# Altium PCB 蓝桥杯2.0.PcbDoc (part 1 of 2) (continued)
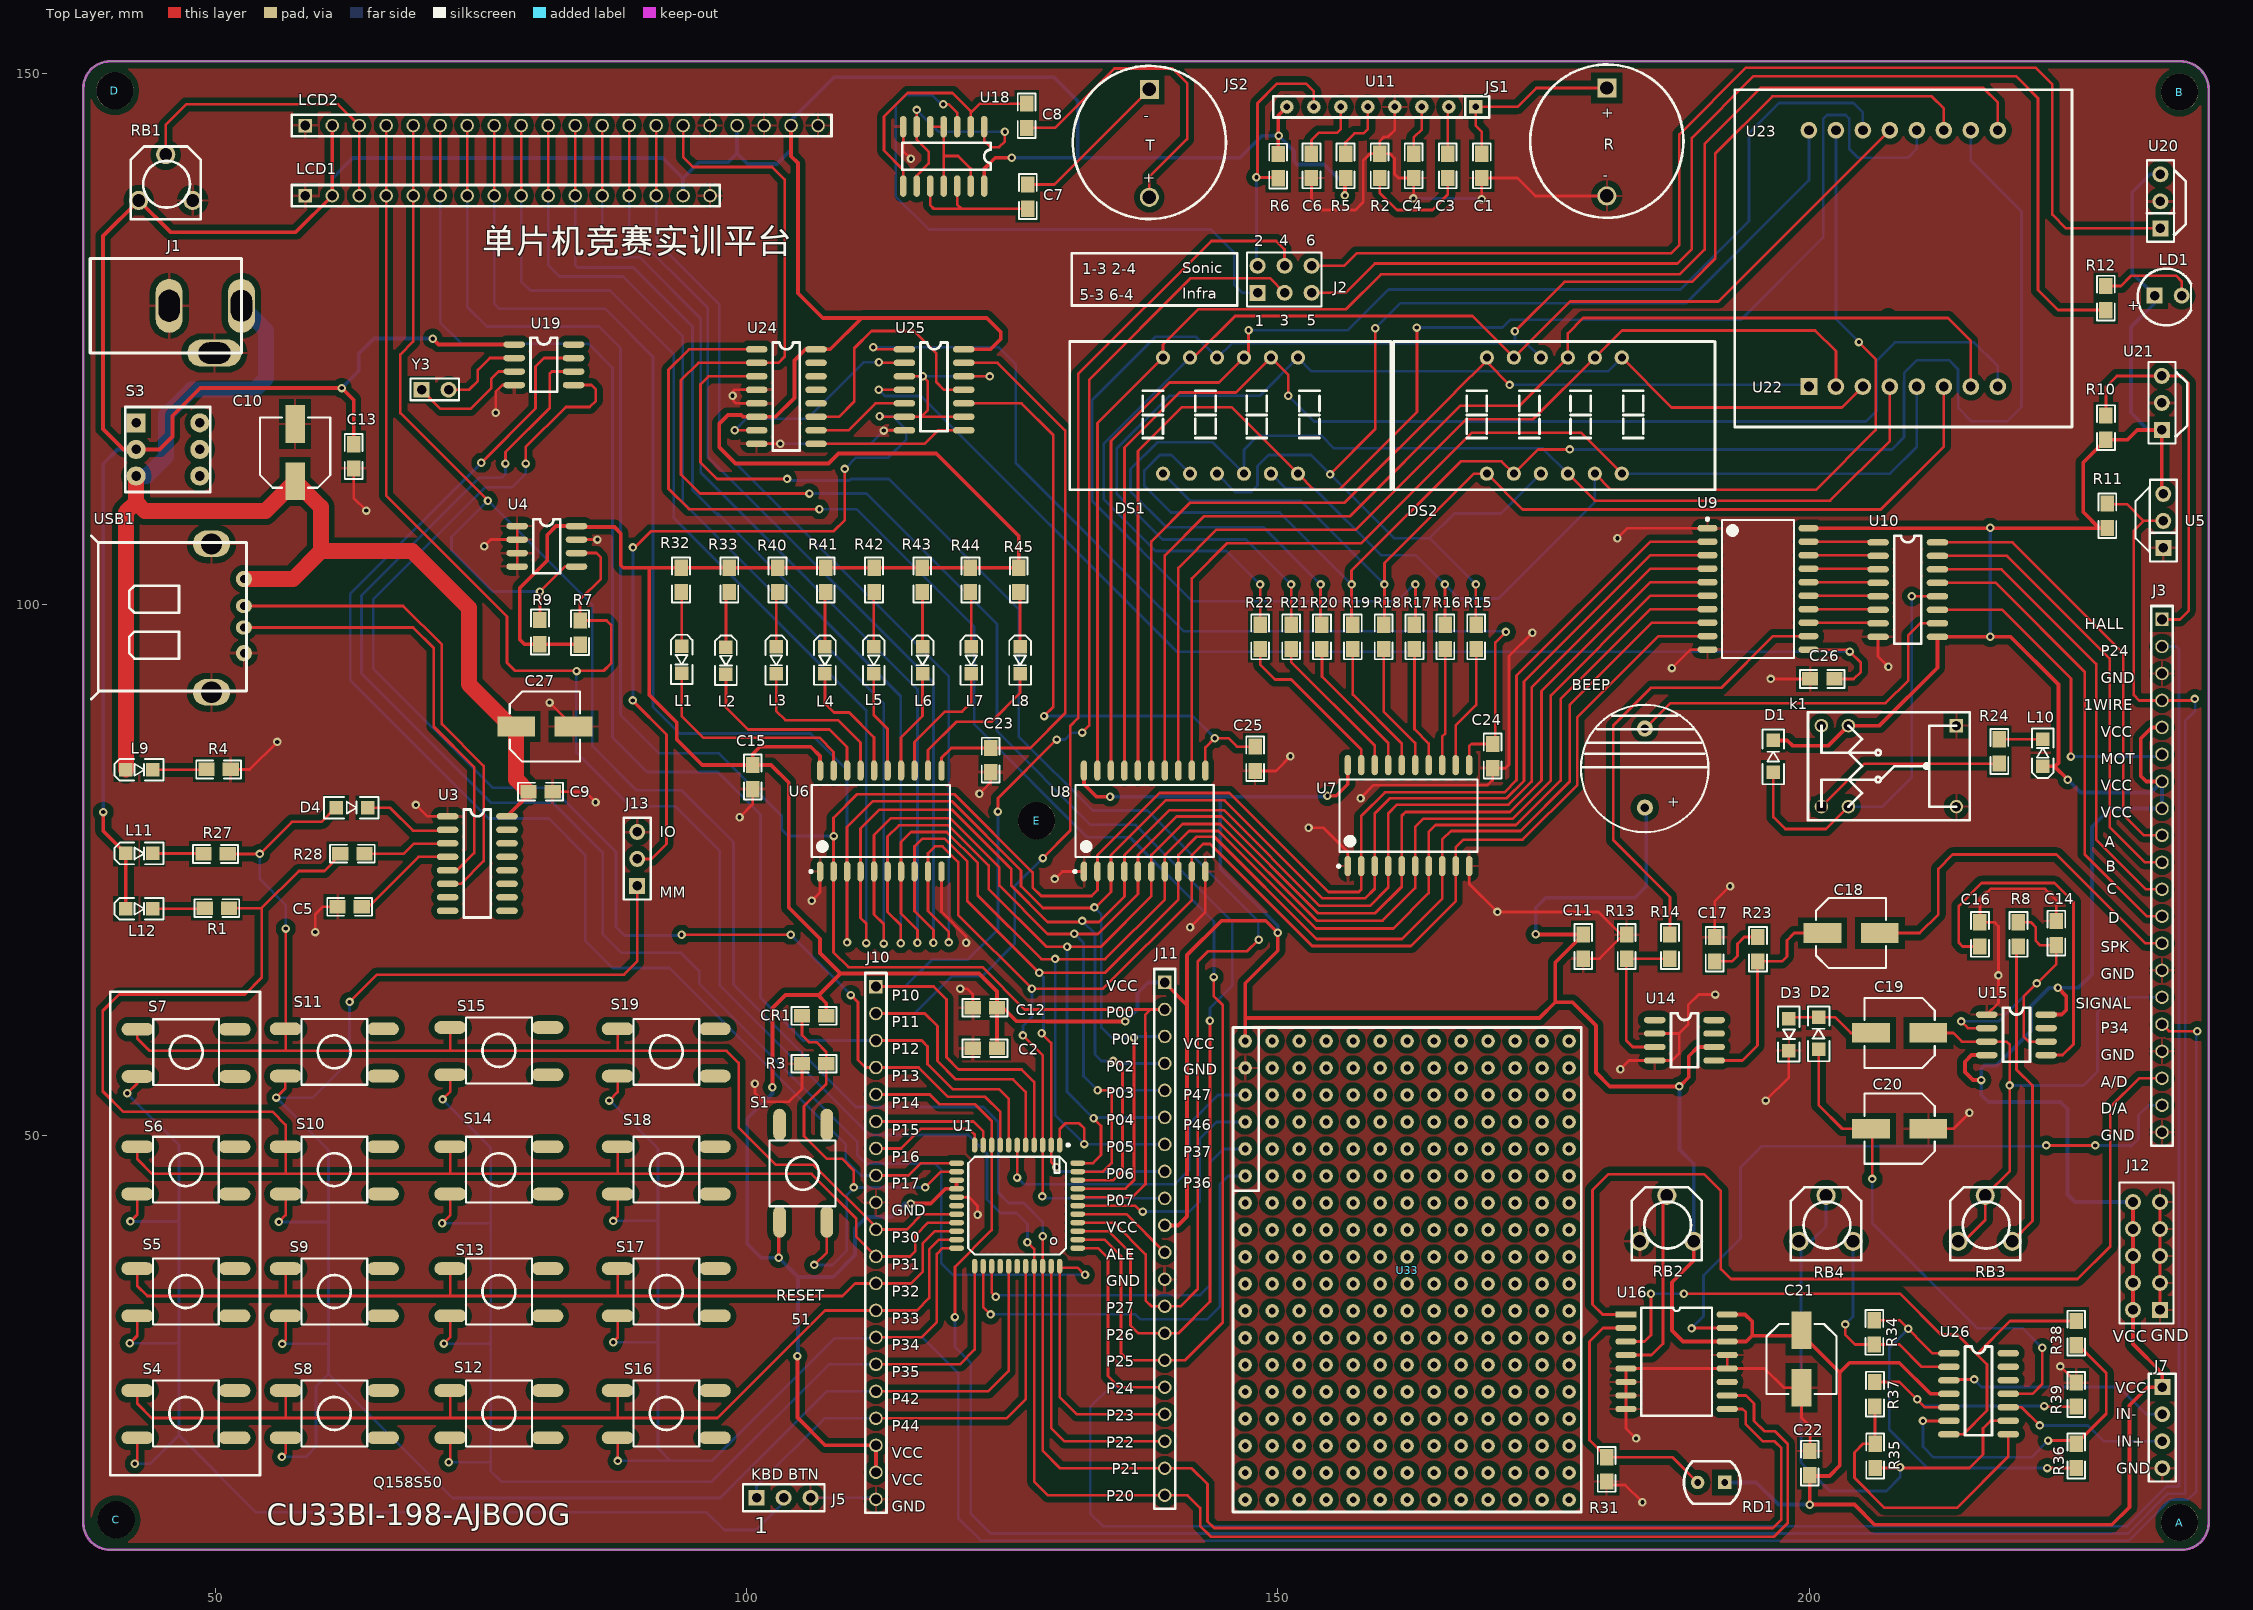
[diagram p0: Top Layer view]
## Footprints (in the part's own frame and the unit in brackets; to place one, negate y for a bottom-side part, rotate by r counter-clockwise, add the part's x,y. Pads: shape width x height; smd on the part's side, far side on the other; paste and mask are expansions set on the pad) (continued)
  silkscreen extent -4.8,-5.95 4.73,4.47, body extent -4.87,-5.13 5.13,4.87, height 2
LUOSIKONG [mm]
  round 3.5 hole 3.5: 1(0.025,-0.686)
"PW 2.5" [mm]
  oval 2.54x5.08 hole 2 slot 3 at 90 deg: GND(-3.708,-4.85)
  oval 5.08x2.54 hole 2 slot 3 at 0 deg: GND(0.737,-0.59) VCCA(0.737,-7.39)
  silkscreen extent -3.71,-7.39 5.18,6.83, body extent -4.19,-8.57 5.33,6.03, height 10.92
R0805 [mil]
  rect 60x50 smd: 1(-57.26,-4.16) 2(32.74,-4.16)
  silkscreen extent -95,-37 71,29, body extent -49,-30 29,20, height 22
RT-16 [mm]
  rect 1.8x1.8 hole 1.27: 1(-0.381,4.597)
  round 1.8 hole 1.27: 2(-0.381,-5.563)
  silkscreen extent -7.59,-7.61 6.83,6.81, body extent -7.43,-7.24 6.57,6.76, height 10
"RVT 16V" [mm]
  rect 3.55x1.85 smd: 1(-2.7,0) 2(2.7,0)
  silkscreen extent -3.3,-3.3 3.3,3.3, body extent -3.37,-3.3 3.63,3.3, height 5.2
SIP-3 [mm]
  rect 1.5x1.5 hole 0.9: 1(-2.295,0.321)
  round 1.5 hole 0.9: 2(0.245,0.321) 3(2.785,0.321)
  silkscreen extent -3.57,-0.95 4.11,1.59, body extent -3.57,-0.95 4.05,1.59, height 8.54
SIP-3X2 [mm]
  rect 1.5x1.5 hole 0.9: 1(-4.721,-2.06)
  round 1.5 hole 0.9: 2(-4.721,0.48) 3(-2.181,-2.06) 4(-2.181,0.48) 5(0.359,-2.06) 6(0.359,0.48)
  silkscreen extent -5.72,-3.33 1.28,1.75, body extent -5.99,-3.33 1.63,1.75, height 8.54
SIP-4 [mm]
  rect 1.5x1.5 hole 0.9: 1(-2.371,0.448)
  round 1.5 hole 0.9: 2(0.169,0.448) 3(2.709,0.448) 4(5.249,0.448)
  silkscreen extent -3.64,-0.82 6.52,1.72, body extent -3.64,-0.82 6.52,1.72, height 8.54
SIP-5X2 [mm]
  round 1.5 hole 0.9: 1(1.54,4.229) 2(1.54,1.689) 3(1.54,-0.851) 4(1.54,-3.391) 5(1.54,-5.931) 6(-1,-5.931) 7(-1,-3.391) 8(-1,-0.851) 9(-1,1.689)
  rect 1.5x1.5 hole 0.9: 10(-1,4.229)
  silkscreen extent -2.27,-7.77 2.81,5.5, body extent -2.27,-7.2 2.81,5.5, height 8.54
SIP-16 [mil]
  rect 50x50 hole 36: 1(-98,967.59)
  round 50 hole 36: 2(-98,867.59) 3(-98,767.59) 4(-98,667.59) 5(-98,567.59) 6(-98,467.59) 7(-98,367.59) 8(-98,267.59) 9(-98,167.59) 10(-98,67.59) 11(-98,-32.41) 12(-98,-132.41) 13(-98,-232.41) 14(-98,-332.41) 15(-98,-432.41) 16(-98,-532.41)
  silkscreen extent -137,-568 -59,1018, body extent -148,-582 -48,1018, height 336
SIP-20 [mil]
  rect 50x50 hole 36: 1(-118,871)
  round 50 hole 36: 2(-118,771) 3(-118,671) 4(-118,571) 5(-118,471) 6(-118,371) 7(-118,271) 8(-118,171) 9(-118,71) 10(-118,-29) 11(-118,-129) 12(-118,-229) 13(-118,-329) 14(-118,-429) 15(-118,-529) 16(-118,-629) 17(-118,-729) 18(-118,-829) 19(-118,-929) 20(-118,-1029)
  silkscreen extent -157,-1079 -79,921, body extent -168,-1079 -68,921, height 336
"SIP-20 - duplicate" [mil]
  rect 50x50 hole 36: 1(16.89,981.84)
  round 50 hole 36: 2(16.89,881.84) 3(16.89,781.84) 4(16.89,681.84) 5(16.89,581.84) 6(16.89,481.84) 7(16.89,381.84) 8(16.89,281.84) 9(16.89,181.84) 10(16.89,81.84) 11(16.89,-18.16) 12(16.89,-118.16) 13(16.89,-218.16) 14(16.89,-318.16) 15(16.89,-418.16) 16(16.89,-518.16) 17(16.89,-618.16) 18(16.89,-718.16) 19(16.89,-818.16) 20(16.89,-918.16)
  silkscreen extent -22,-968 56,1032, body extent -30,-960 70,1040, height 336
SKOE [mm]
  oval 3x1.2 smd: 1(-4.572,2.159) 2(-4.572,-2.286) 3(4.572,-2.286) 4(4.572,2.159)
  silkscreen extent -3.1,-3.1 3.1,3.1, body extent -4.5,-3.23 4.5,2.97, height 7.3
SOP-8 [mil]
  oval 80x24 smd: 1(-132.52,72.79) 2(-132.52,22.79) 3(-132.52,-27.21) 4(-132.52,-77.21) 5(87.48,-77.21) 6(87.48,-27.21) 7(87.48,22.79) 8(87.48,72.79)
  silkscreen extent -73,-102 27,98, body extent -141,-99 95,93, height 67
SOP-14 [mil]
  oval 80x24 smd: 1(-207.72,162.79) 2(-207.72,112.79) 3(-207.72,62.79) 4(-207.72,12.79) 5(-207.72,-37.21) 6(-207.72,-87.21) 7(-207.72,-137.21) 8(12.28,-137.21) 9(12.28,-87.21) 10(12.28,-37.21) 11(12.28,12.79) 12(12.28,62.79) 13(12.28,112.79) 14(12.28,162.79)
  silkscreen extent -148,-141 -48,188, body extent -218,-156 26,186, height 63
SOP-16 [mil]
  oval 80x24 smd: 1(-115.09,167.42) 2(-115.09,117.42) 3(-115.09,67.42) 4(-115.09,17.42) 5(-115.09,-32.58) 6(-115.09,-82.58) 7(-115.09,-132.58) 8(-115.09,-182.58) 9(104.91,-182.58) 10(104.91,-132.58) 11(104.91,-82.58) 12(104.91,-32.58) 13(104.91,17.42) 14(104.91,67.42) 15(104.91,117.42) 16(104.91,167.42)
  silkscreen extent -55,-208 45,192, body extent -131,-204 115,190, height 59
SW-PB [mm]
  rect 1.8x1.8 hole 0.9: 1(-3.159,2.42)
  round 1.8 hole 0.9: 2(-3.159,-0.08) 3(-3.159,-2.58) 4(2.841,-2.58) 5(2.841,-0.08) 6(2.841,2.42)
  silkscreen extent -4.17,-4.08 3.83,3.92, body extent -4.41,-4.36 4.09,4.14, height 14
TO92-3 [mm]
  rect 1.5x1.5 hole 0.9: 1(-2.562,0.473)
  round 1.5 hole 0.9: 2(-0.022,0.473) 3(2.518,0.473)
  silkscreen extent -3.83,-1.92 3.85,1.74
TO-92 [mm]
  rect 1.5x1.5 hole 0.9: 1(-2.486,-0.044)
  round 1.5 hole 0.9: 2(0.054,-0.044) 3(2.594,-0.044)
  silkscreen extent -3.76,-1.31 3.92,2.56
TO-92-A [mm]
  rect 1.5x1.5 hole 0.9: 1(-2.512,1.118)
  round 1.5 hole 0.9: 2(0.028,1.118) 3(2.568,1.118)
  silkscreen extent -3.78,-1.28 3.9,2.39
TSOP-16(宽体) [mm]
  rect 2x0.6 smd: 1(-4.826,3.962)
  oval 2x0.6 smd: 2(-4.826,2.692) 3(-4.826,1.422) 4(-4.826,0.152) 5(-4.826,-1.118) 6(-4.826,-2.388) 7(-4.826,-3.658) 8(-4.826,-4.928) 9(4.704,-4.928) 10(4.704,-3.658) 11(4.704,-2.388) 12(4.704,-1.118) 13(4.704,0.152) 14(4.704,1.422) 15(4.704,2.692) 16(4.704,3.962)
  silkscreen extent -3.39,-5.56 3.27,4.6, body extent -5.42,-5.73 5.21,4.77, height 2.65
TSOP-20(宽体) [mm]
  oval 1.9x0.6 smd: 1(-4.75,5.715) 2(-4.75,4.445) 3(-4.75,3.175) 4(-4.75,1.905) 5(-4.75,0.635) 6(-4.75,-0.635) 7(-4.75,-1.905) 8(-4.75,-3.175) 9(-4.75,-4.445) 10(-4.75,-5.715) 11(4.75,-5.715) 12(4.75,-4.445) 13(4.75,-3.175) 14(4.75,-1.905) 15(4.75,-0.635) 16(4.75,0.635) 17(4.75,1.905) 18(4.75,3.175) 19(4.75,4.445) 20(4.75,5.715)
  silkscreen extent -4.87,-6.5 3.4,6.69, body extent -5.25,-6.37 5.25,6.38, height 2.5
USB-B [mil]
  round 60 hole 30: +(-269.98,-156.82) -(-269.98,118.18)
  oval 60x52.13 hole 30: D1(-269.98,23.18) D2(-269.98,-56.82)
  oval 137.79x98.42 hole 78.74: VSS1(-149.98,263.18) VSS2(-149.98,-286.82)
  silkscreen extent -280,-317 295,288, body extent -273,-336 283,286, height 250
"VR-3 10" [mm]
  round 1.8 hole 1.2: 1(11.989,3.759) 2(9.449,8.077) 3(6.909,3.759)
  silkscreen extent 6.15,1.98 12.75,8.84, body extent 6.2,1.92 12.6,8.92, height 7.5
XTAL1-37K [mm]
  rect 1.5x1.5 hole 0.9: 1(-1.242,1.616)
  round 1.5 hole 0.9: 2(1.298,1.616)
  silkscreen extent -2.29,0.64 2.29,2.67, body extent -1.97,-10.45 2.03,1.56, height 2

## Part data
U11: library part CX

## Via types
v1: diameter 0.8, hole 0.4, Top Layer to Bottom Layer, tented both sides, 197 vias

## Nets (pads, with @x,y where several pads share a name; then routed paths per layer and width w, separated by ;. In a path a pad name is that pad's centre, name@x,y a point inside that pad or via, vN(x,y) a via of type N, cw(c..) or ccw(c..) an arc to the next point about the centre after c; other vN are vias at no path point)
A: R22.2 U7.19 | length 15.8
  Top Layer w0.254: R22.2@148.344,95.815 148.344,94.356 149.75,92.95 151.275,92.95 157.861,86.364 U7.19@157.861,84.887
A1: DS1.1 DS2.1 R22.1 U23.13 | length 116.5
  Top Layer w0.254: DS1.1@141.742,123.241 142.091,123.241 146.002,127.152 168.311,127.152 DS2.1@172.222,123.241 177.507,128.525 191.491,128.525 U23.13@207.611,144.646 ; R22.1@148.344,98.101 v1(148.344,101.894)
  Bottom Layer w0.254: DS1.1@141.742,123.241 133.625,115.123 133.625,109.925 138.5,105.05 145.189,105.05 v1(148.344,101.894)
AIN0: J3.18 U16.1 | length 92.4
  Top Layer w0.254: U16.1@182.774,33.187 180.588,33.187 179.625,34.15 179.625,44.9 181.125,46.4 190.125,46.4 191.7,44.825 191.7,37.475 192.65,36.525 225.275,36.525 228.35,39.6 228.35,52.7 231.069,55.419 J3.18@233.22,55.419
AIN1: R31.2 RD1.2 U16.2 | length 25.1
  Top Layer w0.254: U16.2@182.774,31.917 180.617,31.917 179.35,30.65 179.35,21.358 R31.2@180.954,19.755 187.147,19.755 RD1.2@189.519,17.383
AIN2: R38.2 U16.3 U26.7 | length 60.4
  Top Layer w0.254: U16.3@182.774,30.647 184.522,30.647 185.125,31.25 v1(185.125,35.15) ; v1(188.225,35.15) 208.55,35.15 212.4,31.3 213.95,31.3 216.75,28.5 216.75,24.15 214.515,21.915 U26.7@213.164,21.915 ; 215.8,29.45 218.932,32.582 R38.2@225.15,32.582
  Bottom Layer w0.254: v1(185.125,35.15) v1(188.225,35.15)
AIN3: RB2.2 U16.4 | length 18
  Top Layer w0.254: U16.4@182.774,29.377 185.177,29.377 186.25,30.45 186.25,44.035 RB2.2@186.614,44.399
ALE: J11.11 U1.38 | length 9.7
  Top Layer w0.254: U1.38@131.176,42.634 135.769,42.634 J11.11@139.367,39.036
B: R21.2 U7.18 | length 14.2
  Top Layer w0.254: R21.2@151.26,95.815 151.26,94.59 159.131,86.719 U7.18@159.131,84.887
B1: DS1.2 DS2.2 R21.1 U23.3 | length 105.4
  Top Layer w0.254: R21.1@151.26,98.236 v1(151.26,101.894) ; DS2.2@182.382,123.241 187.073,118.55 203.106,118.55 U23.3@205.071,120.516
  Bottom Layer w0.254: v1(151.26,101.894) 147.03,106.125 139.15,106.125 134.85,110.425 134.85,114.675 139.825,119.65 148.312,119.65 DS1.2@151.902,123.241 153.193,121.95 181.092,121.95 DS2.2@182.382,123.241
C: R20.2 U7.17 | length 13.5
  Top Layer w0.254: R20.2@154.163,95.815 154.163,93.212 160.401,86.974 U7.17@160.401,84.887
C1: DS1.3 DS2.3 R20.1 U23.4 | length 113.9
  Top Layer w0.254: R20.1@154.034,98.101 v1(154.034,101.894) ; DS2.3@177.302,112.319 179.846,109.775 201.975,109.775 207.611,115.411 U23.4@207.611,120.516
  Bottom Layer w0.254: v1(154.034,101.894) 148.654,107.275 139.525,107.275 136.15,110.65 136.15,112.75 138.675,115.275 143.866,115.275 DS1.3@146.822,112.319 146.822,114.572 148.15,115.9 154.1,115.9 155.3,114.7 174.921,114.7 DS2.3@177.302,112.319
COM1: DS1.9 U8.19 U23.9 | length 140.2
  Top Layer w0.254: U8.19@133.032,84.379 133.032,117.071 DS1.9@139.202,123.241 139.202,124.477 142.525,127.8 156.45,127.8 159.725,131.075 187.825,131.075 190.175,133.425 190.175,143.35 195.45,148.625 216.4,148.625 217.771,147.254 U23.9@217.771,144.646
COM2: DS1.10 U8.18 U23.14 | length 123.1
  Top Layer w0.254: U8.18@134.302,84.379 134.302,115.378 139.818,120.893 144.475,120.893 DS1.10@146.822,123.241 147.253,123.672 v1(147.253,125.825)
  Bottom Layer w0.254: v1(147.253,125.825) 156.6,125.825 160.425,129.65 187.9,129.65 194.35,136.1 194.35,144.375 197.175,147.2 204.167,147.2 205.071,146.296 U23.14@205.071,144.646
COM3: DS1.11 U8.17 U23.8 | length 128.4
  Top Layer w0.254: U8.17@135.572,84.379 135.572,114.773 140.75,119.95 146.072,119.95 DS1.11@149.362,123.241 151,121.603 v1(151,119.65)
  Bottom Layer w0.254: v1(151,119.65) 153.425,117.225 205.35,117.225 206.35,118.225 206.35,122.925 208.1,124.675 215.525,124.675 217.771,122.429 U23.8@217.771,120.516
COM4: DS1.12 U8.16 U23.12 | length 139.6
  Top Layer w0.254: U8.16@136.843,84.379 136.843,114.442 140.975,118.575 145.646,118.575 DS1.12@151.902,112.319 153.425,110.796 155.771,110.796 163.1,118.125 163.1,126.05 v1(163.075,126.075)
  Bottom Layer w0.254: v1(163.075,126.075) 171.152,126.075 171.879,126.802 193.577,126.802 201.327,134.552 201.327,145.702 201.7,146.075 203.45,146.075 203.775,145.75 203.775,142.9 204.625,142.05 209.3,142.05 210.151,142.901 U23.12@210.151,144.646
COM5: DS2.9 U8.15 U23.1 | length 91.9
  Top Layer w0.254: U8.15@138.112,84.379 138.112,105.938 141.76,109.585 156.297,109.585 166.685,119.973 166.685,119.985 DS2.9@169.682,122.982 ; DS2.9@169.682,123.241 DS2.9@169.682,122.982 ; v1(171.825,120.675) 169.682,122.818 DS2.9@169.682,122.982
  Bottom Layer w0.254: v1(171.825,120.675) 199.832,120.675 U23.1@199.991,120.516
COM6: DS2.10 U8.14 U23.7 | length 111.9
  Top Layer w0.254: U8.14@139.382,84.379 139.382,104.633 143.065,108.315 156.823,108.315 167.223,118.715 172.777,118.715 DS2.10@177.302,123.241 177.302,125.527 178.75,126.975 213.075,126.975 215.231,124.819 U23.7@215.231,120.516
COM7: DS2.11 U8.13 U23.2 | length 94.3
  Top Layer w0.254: U8.13@140.653,84.379 140.653,103.452 144.245,107.045 157.349,107.045 167.749,117.445 174.047,117.445 DS2.11@179.842,123.241 182.402,125.8 200.575,125.8 202.531,123.844 U23.2@202.531,120.516
COM8: DS2.12 U8.12 U23.5 | length 100.3
  Top Layer w0.254: U8.12@141.922,84.379 141.922,102.447 145.25,105.775 157.875,105.775 168.275,116.175 178.526,116.175 DS2.12@182.382,112.319
  Bottom Layer w0.254: DS2.12@182.382,112.319 207.619,112.319 210.151,114.851 U23.5@210.151,120.516
D: R19.2 U7.16 | length 12.8
  Top Layer w0.254: R19.2@157.066,95.815 157.066,91.534 161.671,86.929 U7.16@161.671,84.887
D1: DS1.4 DS2.4 R19.1 U23.10 | length 144.3
  Top Layer w0.254: R19.1@156.95,98.236 v1(156.95,101.894) 156.95,103.2 167.225,113.475 171.066,113.475 DS2.4@172.222,112.319 174.504,114.6 v1(177.475,114.6)
  Bottom Layer w0.254: DS1.4@141.856,112.319 DS1.4@141.742,112.319 139.986,114.075 138.9,114.075 137.45,112.625 137.45,111.15 139.94,108.66 150.185,108.66 v1(156.95,101.894) ; v1(177.475,114.6) 207.8,114.6 208.947,115.747 208.947,121.018 208.95,121.021 208.95,121.8 210.15,123 213.175,123 214.027,122.148 214.027,119.994 214.05,119.97 214.05,118.5 215.3,117.25 218.65,117.25 220,118.6 220,137 215.231,141.769 U23.10@215.231,144.646
DP: R15.2 U7.12 | length 11.7
  Top Layer w0.254: U7.12@166.751,84.887 166.751,88.626 168.677,90.552 R15.2@168.677,95.815
DP1: DS1.8 DS2.8 R15.1 U23.16 | length 116.1
  Top Layer w0.254: v1(154.925,112.25) 159.175,116.5 v1(159.175,126) ; R15.1@168.65,98.236 v1(168.65,101.894)
  Bottom Layer w0.254: DS1.8@144.282,112.319 146.001,110.6 147.5,110.6 148.1,111.2 148.1,113.025 149.15,114.075 153.125,114.075 160.95,106.25 164.294,106.25 ; v1(159.175,126) 161.525,128.35 188.4,128.35 199.991,139.941 U23.16@199.991,144.646 ; v1(168.65,101.894) 164.294,106.25 ; DS2.8@174.762,112.319 171.019,108.575 166.619,108.575 164.294,106.25
E: R18.2 U7.15 | length 12.2
  Top Layer w0.254: R18.2@159.969,95.815 159.969,89.956 162.941,86.984 U7.15@162.941,84.887
E1: DS1.5 DS2.5 R18.1 U23.6 | length 96.6
  Top Layer w0.254: R18.1@160.044,98.101 v1(160.044,101.894) 160.044,103.894 168.469,112.319 DS2.5@169.682,112.319 173.051,108.95 206.75,108.95 212.691,114.891 U23.6@212.691,120.516
  Bottom Layer w0.254: DS1.5@139.202,112.319 141.771,109.75 152.189,109.75 v1(160.044,101.894)
F: R17.2 U7.14 | length 11.5
  Top Layer w0.254: R17.2@162.872,95.815 162.872,88.278 164.211,86.939 U7.14@164.211,84.887
F1: DS1.6 DS2.6 R17.1 U23.11 | length 153.7
  Top Layer w0.254: R17.1@162.96,98.236 v1(162.96,101.894) ; v1(172.325,125.725) 176.975,130.375 189,130.375 191.175,132.55 191.175,142.45 196.55,147.825 211.55,147.825 212.691,146.684 U23.11@212.691,144.646
  Bottom Layer w0.254: v1(162.96,101.894) 162.844,101.894 161.275,100.325 141.95,100.325 132.55,109.725 132.55,119.275 138.475,125.2 142.323,125.2 DS1.6@144.282,123.241 144.341,123.241 145.725,124.625 172.3,124.625 ; v1(172.325,125.725) 172.325,124.65 172.3,124.625 ; DS2.6@174.762,123.241 173.378,124.625 172.3,124.625
G: R16.2 U7.13 | length 11
  Top Layer w0.254: U7.13@165.481,84.887 165.481,87.581 165.775,87.875 R16.2@165.775,95.815
G1: DS1.7 DS2.7 R16.1 U23.15 | length 104.7
  Top Layer w0.254: R16.1@165.734,98.101 v1(165.734,101.894) ; DS2.7@179.842,112.319 179.856,112.319 181.375,110.8 200.65,110.8 206.276,116.426 206.276,123.101 204.7,124.676 v1(204.7,124.7)
  Bottom Layer w0.254: DS1.7@149.362,112.319 150.731,110.95 153.425,110.95 159.725,104.65 162.979,104.65 v1(165.734,101.894) 167.054,100.575 170.775,100.575 179.842,109.642 DS2.7@179.842,112.319 ; U23.15@202.531,144.646 202.531,126.869 v1(204.7,124.7)
GND: C1.1 C2.1 C4.1 C5.1 C6.1 C9.1 C10.2 C11.1 C12.1 C13.1 C14.1 C15.1 C16.2 C17.2 C20.1 C21.2 C22.2 C23.1 C24.1 C25.1 C26.1 C27.2 D3.2 J1.GND J3.3 J3.14 J3.17 J3.20 J5.3 J7.4 J10.9 J10.20 J11.12 J12.6 J12.7 J12.8 J12.9 J12.10 J13.3 JS1.2 k1.1 LCD1.1 LCD1.16 LCD2.1 LCD2.16 LCD2.18 LCD2.20 R2.1 R3.1 R4.1 R13.2 R31.1 R39.2 RB1.1 RB2.3 U1.16 U3.1 U4.1 U4.2 U4.3 U4.4 U4.7 U5.1 U6.1 U6.10 U7.1 U7.10 U8.1 U8.10 U9.1 U9.10 U10.8 U11.4 U14.2 U14.4 U15.1 U16.5 U16.6 U16.7 U16.8 U16.12 U16.13 U18.7 U19.4 U20.2 U21.2 U24.4 U24.5 U24.8 U25.7 U33.2 USB1.- USB1.VSS1 USB1.VSS2 | length 338.7
  Top Layer w0.254: R4.1@51.479,84.481 53.256,84.481 v1(55.85,87.075) ; v1(59.425,69.175) 59.425,70.85 60.125,71.55 C5.1@61.519,71.55 ; C13.1@63.039,112.795 63.039,110.036 v1(64.225,108.85) ; v1(68.9,81.15) 69.979,80.071 U3.1@71.88,80.071 ; v1(75.325,105.5) 75.941,106.116 U4.2@78.422,106.116 ; v1(76.4,118.05) 76.4,120 77.063,120.663 U19.4@78.147,120.663 ; U4.4@78.422,103.576 U4.3@78.422,104.846 U4.2@78.422,106.116 ; U4.1@78.422,107.386 U4.2@78.422,106.116 ; v1(81.47,90.775) C27.2@83.726,88.519 ; C9.1@81.772,82.397 84.803,82.397 v1(85.8,81.4) ; U4.7@84.01,106.116 v1(85.984,106.116) ; v1(99.35,79.975) 100.597,81.222 C15.1@100.597,82.628 ; v1(100.8,54.9) 100.8,54.025 101.6,53.225 104.025,53.225 105.226,54.426 R3.1@105.226,56.79 ; U24.8@100.963,115.133 v1(103.183,115.133) ; U24.5@100.963,118.943 99.007,118.943 98.775,119.175 98.775,120.125 98.863,120.213 U24.4@100.963,120.213 ; v1(106.15,72.125) 106.934,72.909 U6.1@106.934,74.879 ; v1(112.925,116.375) 112.953,116.403 U25.7@114.866,116.403 ; U18.7@114.752,144.976 114.752,142.698 v1(115.488,141.962) ; U6.10@118.364,74.879 118.364,72.039 118.35,72.025 118.35,71.1 120.675,68.775 v1(120.675,68.175) ; U1.16@119.776,44.234 120.941,44.234 121.75,43.425 v1(121.75,42.575) ; v1(120.125,63.85) 120.75,63.85 121.304,63.296 C12.1@121.304,62.056 ; v1(121.925,82.2) 122.983,83.258 C23.1@122.983,84.22 ; v1(129.025,74.175) 129.729,74.879 U8.1@131.762,74.879 ; v1(141.75,69.625) 143.192,71.067 U8.10@143.192,74.879 ; C25.1@147.875,84.347 149.822,84.347 v1(151.2,85.725) ; v1(152.9,79) 154.3,79 156.591,76.709 U7.1@156.591,75.387 ; C6.1@153.173,140.151 153.173,138.027 154.075,137.125 157.3,137.125 158.05,137.875 158.05,141.8 158.679,142.429 R2.1@159.594,142.429 ; v1(157.8,81.775) 159.025,83 169.75,83 170.227,83.477 C24.1@170.227,84.601 171.451,84.601 171.775,84.925 171.775,95.15 v1(173.975,97.35) ; U11.4@161.022,146.841 161.022,144.647 160.4,144.025 160.025,144.025 159.594,143.594 R2.1@159.594,142.429 ; v1(162.775,138.225) 162.796,138.246 C4.1@162.796,140.151 161.349,140.151 161,140.5 161,142 160.571,142.429 R2.1@159.594,142.429 ; U7.10@168.021,75.387 168.021,73.729 v1(170.675,71.075) 180.175,71.075 182.289,68.961 R13.2@182.561,68.961 ; v1(169.2,138.15) v1(169.211,138.161) C1.1@169.211,140.151 172.549,140.151 174.245,138.455 JS1.2@180.975,138.455 ; C11.1@178.757,66.675 180.275,66.675 R13.2@182.561,68.961 ; R31.1@180.954,17.469 181.272,17.15 182.7,17.15 v1(184.325,15.525) ; v1(181.975,106.25) 182.913,107.188 U9.1@190.449,107.188 ; v1(182.25,56.275) 183.069,57.094 U14.4@185.483,57.094 187.119,57.094 187.784,57.759 187.784,59.634 ; R13.2@182.836,68.961 R13.2@182.561,68.961 ; v1(183.723,21.525) 182.774,22.474 U16.8@182.774,24.297 U16.7@182.774,25.567 U16.6@182.774,26.837 U16.5@182.774,28.107 U16.12@192.304,28.107 ; U14.2@185.483,59.634 187.784,59.634 ; v1(187.1,94.025) 188.833,95.758 U9.10@190.449,95.758 ; C17.2@191.12,68.707 191.12,72.045 v1(192.575,73.5) ; v1(191.175,63.3) 189.625,63.3 188.625,62.3 188.625,60.475 187.784,59.634 ; U16.13@192.304,29.377 U16.12@192.304,28.107 ; v1(195.925,53.325) 198.105,55.505 D3.2@198.105,58.032 ; v1(196.403,93.003) C26.1@200.103,93.003 ; C22.2@200.072,20.339 200.125,20.392 200.125,22.65 199.3,23.475 C21.2@199.3,26.3 197.625,26.3 195.818,28.107 U16.12@192.304,28.107 ; U10.8@206.5,96.962 206.5,95.125 v1(207.475,94.15) ; C20.1@211.234,50.673 213.598,50.673 v1(215.1,52.175) ; U15.1@216.725,61.412 217.825,62.512 v1(217.825,65.1) 217.825,69.725 217.446,70.104 C16.2@216.09,70.104 216.09,72.24 217.1,73.25 222.2,73.25 223.278,72.172 C14.1@223.278,70.222 ; v1(223.653,28.3) R39.2@225.15,26.803 ; J12.10@233.029,33.617 J12.9@233.029,36.157 J12.8@233.029,38.697 J12.7@233.029,41.237 J12.6@233.029,43.777
  Bottom Layer w0.254: v1(103.183,115.133) 111.683,115.133 v1(112.925,116.375) ; J5.3@106.036,15.942 112.042,15.942 J10.20@112.189,15.795 ; v1(162.775,138.225) 169.147,138.225 v1(169.211,138.161)
  other v1: 98.7,119.65
IN+: J7.3 U26.10 | length 15.8
  Top Layer w0.254: U26.10@218.752,24.455 220.02,24.455 v1(221.725,22.75)
  Bottom Layer w0.254: v1(221.725,22.75) 226.25,22.75 227.734,21.266 J7.3@233.248,21.266
IN-: J7.2 U26.3 | length 21.5
  Top Layer w0.254: U26.3@213.164,26.995 213.244,27.075 v1(215.55,27.075)
  Bottom Layer w0.254: v1@215.55,27.05 v1(215.55,27.075) 216.25,26.375 229.15,26.375 231.719,23.806 J7.2@233.248,23.806
M1: k1.2
M2: k1.3 R24.1 | length 18.4
  Top Layer w0.254: k1.3@201.168,80.986 205.214,85.033 R24.1@217.911,85.033
NA1: J2.1 U18.3 | length 57
  Top Layer w0.254: v1(118.525,147.075) 118.525,146.925 118.375,147.075 119.05,147.075 119.832,146.293 U18.3@119.832,144.976
  Bottom Layer w0.254: v1(118.525,147.075) 118.525,146.925 117.525,147.925 114.95,147.925 114.05,147.025 114.05,138.425 117.175,135.3 143.725,135.3 145.9,133.125 145.9,130.125 146.685,129.34 J2.1@148.104,129.34
NA2: J2.5 R12.1 | length 109
  Top Layer w0.254: J2.5@153.184,129.34 156.382,129.34 159.142,132.1 187.625,132.1 188.975,133.45 188.975,143.925 194.775,149.725 219.475,149.725 221.55,147.65 221.55,129.6 223.425,127.725 227.901,127.725 R12.1@227.931,127.696
NB1: J2.2 R6.2 U11.7 | length 25.4
  Top Layer w0.254: v1@148.104,140.075 v1@148.104,140.446 ; R6.2@150.044,140.118 149.963,140.2 148.35,140.2 v1@148.104,140.446 ; U11.7@153.402,146.841 153.402,148.273 152.65,149.025 149.95,149.025 148.104,147.179 v1@148.104,140.446
  Bottom Layer w0.254: v1(148,140.225) 148,131.984 J2.2@148.104,131.88
NB2: J2.6 U20.1 | length 107.1
  Top Layer w0.254: J2.6@153.184,131.88 156.255,131.88 157.425,133.05 187,133.05 187.8,133.85 187.8,144.25 194.075,150.525 221.3,150.525 222.9,148.925 222.9,136.7 224.19,135.41 U20.1@233.07,135.41
NBATTERY: U19.8
NBUZZ: BEEP.2 U10.10 | length 34.1
  Top Layer w0.254: BEEP.2@184.557,88.331 186.952,90.725 207.2,90.725 209.35,92.875 209.35,97.125 210.457,98.232 U10.10@212.088,98.232
NetC1_2: C1.2 JS1.1 U11.1 | length 17.7
  Top Layer w0.254: C1.2@169.211,142.437 169.211,144.489 168.642,145.058 U11.1@168.642,146.841 172.566,146.841 174.34,148.615 JS1.1@180.975,148.615
NetC3_1: C3.1 R2.2 | length 10.6
  Top Layer w0.254: R2.2@159.594,140.143 159.594,138.756 161.225,137.125 164.55,137.125 166.003,138.578 C3.1@166.003,140.151
NetC3_2: C3.2 U11.2 | length 4.4
  Top Layer w0.254: C3.2@166.003,142.437 166.003,146.743 U11.2@166.102,146.841
NetC4_2: C4.2 U11.3 | length 4.7
  Top Layer w0.254: C4.2@162.796,142.437 162.796,143.946 163.562,144.712 U11.3@163.562,146.841
NetC5_2: C5.2 U3.4 | length 10
  Top Layer w0.254: C5.2@63.805,71.55 64.428,71.55 69.139,76.261 U3.4@71.88,76.261
NetC6_2: C6.2 U11.6 | length 6.6
  Top Layer w0.254: C6.2@153.173,142.437 153.173,143.723 153.85,144.4 155.575,144.4 155.942,144.767 U11.6@155.942,146.841
NetC7_1: C7.1 U18.10 U18.12 | length 13.4
  Top Layer w0.254: U18.10@117.292,139.388 117.292,137.592 117.63,137.254 120.246,137.254 ; U18.12@119.832,139.388 119.832,137.668 120.246,137.254 ; C7.1@126.482,137.254 120.246,137.254
NetC7_2: C7.2 JS2.1 | length 15.1
  Top Layer w0.254: C7.2@126.482,139.54 128.973,139.54 JS2.1@137.922,148.488
NetC8_1: C8.1 U18.2 U18.8 | length 24.2
  Top Layer w0.254: U18.8@114.752,139.388 114.752,140.923 112.95,142.725 112.95,145.925 115.177,148.152 119.398,148.152 121.102,146.448 121.102,146.271 ; U18.2@121.102,144.976 121.102,146.271 ; C8.1@126.378,147.147 121.978,147.147 121.102,146.271
NetC8_2: C8.2 JS2.2 | length 30.2
  Top Layer w0.254: C8.2@126.378,144.861 129.036,144.861 134.625,150.45 140.1,150.45 141.475,149.075 141.475,143.825 137.922,140.272 JS2.2@137.922,138.328
NetC14_2: C14.2 R8.2 U15.2 U15.6 | length 28.6
  Top Layer w0.254: v1(214.325,60.775) 214.958,60.142 U15.2@216.725,60.142 ; R8.2@219.71,70.104 220.871,70.104 221.35,69.625 221.35,68.35 221.764,67.936 C14.2@223.278,67.936 223.278,66.178 220.2,63.1 220.2,59.35 220.678,58.872 U15.6@222.313,58.872
  Bottom Layer w0.254: v1(214.325,60.775) 217.85,60.775 v1(221.425,64.35)
NetC16_1: C16.1 U15.5 | length 34.4
  Top Layer w0.254: C16.1@216.09,67.818 214.457,67.818 214.1,68.175 214.1,71.65 216.244,73.794 223.106,73.794 224.9,72 224.9,58.625 223.877,57.602 U15.5@222.313,57.602
NetC17_1: C17.1 R23.2 | length 5.7
  Top Layer w0.254: C17.1@191.12,66.421 192.771,66.421 193.275,66.925 193.275,68.075 193.907,68.707 R23.2@195.199,68.707
NetC18_1: C18.1 R23.1 U14.5 | length 20.6
  Top Layer w0.254: U14.5@191.071,57.094 193.744,57.094 195.15,58.5 195.15,66.372 R23.1@195.199,66.421 197.446,66.421 197.925,66.9 197.925,68.4 198.613,69.088 C18.1@201.262,69.088
NetC19_2: C19.2 D2.2 D3.1 | length 8.4
  Top Layer w0.254: D3.1@198.106,61.019 198.24,61.153 D2.2@200.915,61.153 202.472,61.153 203.935,59.69 C19.2@205.834,59.69
NetD4_2: D4.2 U3.2 | length 8.4
  Top Layer w0.254: D4.2@64.368,80.88 66.47,80.88 68.625,78.725 71.803,78.725 U3.2@71.88,78.801
NetJ5_2: J5.2 S4.2 S5.2 S6.2 S7.2 | length 121.5
  Top Layer w0.254: v1(41.725,54) 42.672,54.947 S7.2@42.672,56.007 ; v1(41.956,30.475) 42.672,31.191 S5.2@42.672,33.062 ; v1(42.025,41.95) 42.672,42.597 S6.2@42.672,44.535 ; v1(42.431,19.15) 42.672,19.391 S4.2@42.672,21.59
  Bottom Layer w0.254: v1(41.725,54) 46.6,49.125 46.6,41.925 ; v1(41.956,30.475) 46.55,30.475 46.6,30.525 ; v1(42.025,41.95) 46.575,41.95 46.6,41.925 ; v1(42.431,19.15) 43.925,19.15 46.6,21.825 ; J5.2@103.496,15.942 103.496,15.496 100.9,12.9 97.925,12.9 96.25,14.575 53.85,14.575 46.6,21.825 ; 46.6,21.825 46.6,30.525 ; 46.6,30.525 46.6,41.925
NetL1_1: L1.1 R32.2 | length 5.1
  Top Layer w0.254: R32.2@93.851,101.176 93.901,101.127 L1.1@93.901,96.075
NetL1_2: L1.2 U6.19 | length 21.5
  Top Layer w0.254: L1.2@93.901,93.535 93.901,89.499 95.925,87.475 106.858,87.475 108.204,86.129 U6.19@108.204,84.379
NetL2_1: L2.1 R33.2 | length 5.3
  Top Layer w0.254: L2.1@98.074,96 98.074,100.86 R33.2@98.391,101.176
NetL2_2: L2.2 U6.18 | length 18.3
  Top Layer w0.254: L2.2@98.074,93.46 98.074,90.326 100.15,88.25 107.8,88.25 109.474,86.576 U6.18@109.474,84.379
NetL3_1: L3.1 R40.2 | length 5.2
  Top Layer w0.254: L3.1@102.804,96.016 102.804,101.05 R40.2@102.93,101.176
NetL3_2: L3.2 U6.17 | length 15.3
  Top Layer w0.254: L3.2@102.804,93.476 102.804,89.996 103.675,89.125 108.625,89.125 110.744,87.006 U6.17@110.744,84.379
NetL4_1: L4.1 R41.2 | length 5.2
  Top Layer w0.254: L4.1@107.394,96.016 107.394,101.101 R41.2@107.469,101.176
NetL4_2: L4.2 U6.16 | length 11.8
  Top Layer w0.254: L4.2@107.394,93.476 107.394,90.7 108.244,89.85 109.675,89.85 112.014,87.511 U6.16@112.014,84.379
NetL5_1: L5.1 R42.2 | length 5.2
  Top Layer w0.254: L5.1@111.984,96.016 111.984,101.152 R42.2@112.009,101.176
NetL5_2: L5.2 U6.15 | length 9.6
  Top Layer w0.254: L5.2@111.984,93.476 111.984,89.616 113.284,88.316 U6.15@113.284,84.379
NetL6_1: L6.1 R43.2 | length 5.2
  Top Layer w0.254: R43.2@116.548,101.176 116.574,101.15 L6.1@116.574,96.016
NetL6_2: L6.2 U6.14 | length 9.9
  Top Layer w0.254: U6.14@114.554,84.379 114.554,87.496 116.574,89.516 L6.2@116.574,93.476
NetL7_1: L7.1 R44.2 | length 5.2
  Top Layer w0.254: R44.2@121.087,101.176 121.164,101.099 L7.1@121.164,96.016
NetL7_2: L7.2 U6.13 | length 12.2
  Top Layer w0.254: U6.13@115.824,84.379 115.824,87.049 118.7,89.925 120.3,89.925 121.164,90.789 L7.2@121.164,93.476
NetL8_1: L8.1 R45.2 | length 5.2
  Top Layer w0.254: R45.2@125.627,101.176 125.754,101.049 L8.1@125.754,96.016
NetL8_2: L8.2 U6.12 | length 14.6
  Top Layer w0.254: U6.12@117.094,84.379 117.094,86.306 119.763,88.975 123.05,88.975 125.754,91.679 L8.2@125.754,93.476
NetL9_2: L9.2 R4.2 | length 5.1
  Top Layer w0.254: L9.2@44.135,84.454 49.166,84.454 R4.2@49.193,84.481
NetL10_2: L10.2 R24.2 | length 4.1
  Top Layer w0.254: R24.2@217.911,87.319 221.993,87.319 L10.2@221.997,87.315
NetL11_2: L11.2 R27.2 | length 4.8
  Top Layer w0.254: L11.2@44.135,76.58 R27.2@48.844,76.58
  Top Layer w0.354: R27.2@48.844,76.58 R27.2@48.893,76.531
NetL12_2: L12.2 R1.2 | length 4.9
  Top Layer w0.254: L12.2@44.135,71.373 48.96,71.373 R1.2@49.018,71.431
NetLD1_2: LD1.2 R12.2 | length 9.1
  Top Layer w0.254: R12.2@227.931,129.982 229.357,129.982 230.325,130.95 234.55,130.95 235.071,130.429 LD1.2@235.071,129.073
NetR5_2: R5.2 U11.5 | length 5.8
  Top Layer w0.254: R5.2@156.381,142.437 156.381,143.506 157.225,144.35 158.075,144.35 158.482,144.757 U11.5@158.482,146.841
NetR8_1: R8.1 RB3.1 | length 29.2
  Top Layer w0.254: RB3.1@219.126,40.081 221.025,41.98 221.025,54.725 219.525,56.225 219.525,67.633 R8.1@219.71,67.818
NetR13_1: R13.1 R14.1 U14.3 | length 14.7
  Top Layer w0.254: U14.3@185.483,58.364 183.411,58.364 182.8,58.975 182.8,66.639 R13.1@182.836,66.675 R14.1@186.915,66.675
NetR28_1: R28.1 U3.3 | length 8.2
  Top Layer w0.254: R28.1@64.054,76.556 67.756,76.556 68.7,77.5 71.848,77.5 U3.3@71.88,77.531
NetR34_1: R34.1 R36.1 U26.1 | length 37.7
  Top Layer w0.254: R34.1@206.144,32.654 208.521,32.654 211.64,29.535 U26.1@213.164,29.535 ; v1@222.475,18.8 v1(222.414,18.739) R36.1@225.15,18.739
  Bottom Layer w0.254: v1(209.35,31.85) 207.55,30.05 207.55,22.35 211.161,18.739 v1(222.414,18.739)
NetR34_2: R34.2 RB4.1 U26.2 | length 20.1
  Top Layer w0.254: v1(203.4,32.25) 203.4,31.3 204.332,30.368 R34.2@206.144,30.368 208.507,30.368 210.61,28.265 U26.2@213.164,28.265
  Bottom Layer w0.254: v1(203.4,32.25) 203.405,32.25 204.14,32.985 RB4.1@204.14,40.081
NetR35_1: R35.1 RB4.2 RB4.3 U26.9 | length 54.7
  Top Layer w0.254: R35.1@206.227,18.739 215.089,18.739 216.375,20.025 216.375,22.475 217.085,23.185 U26.9@218.752,23.185
  Bottom Layer w0.254: RB4.2@201.6,44.399 201.6,41.475 200.206,40.081 RB4.3@199.06,40.081 199.25,39.891 199.25,19.275 201.95,16.575 207.275,16.575 208.575,17.875 v1(208.575,18.825)
NetR35_2: R35.2 R37.1 U26.8 | length 27.9
  Top Layer w0.254: R37.1@206.206,24.546 206.206,21.046 R35.2@206.227,21.025 205.1,21.025 204.275,20.2 204.275,17.825 207.1,15 213.925,15 218.752,19.827 U26.8@218.752,21.915
NetR36_2: R36.2 R38.1 U26.6 | length 32.2
  Top Layer w0.254: v1(210.725,23.175) 213.154,23.175 U26.6@213.164,23.185 ; v1(222.5,21.325) 224.849,21.325 R36.2@225.15,21.025 227.975,23.85 227.975,27.7 225.379,30.296 R38.1@225.15,30.296
  Bottom Layer w0.254: v1(210.725,23.175) 210.725,20.75 211.725,19.75 220.925,19.75 v1(222.5,21.325)
NetR37_2: R37.2 R39.1 U26.5 | length 23.2
  Top Layer w0.254: R37.2@206.206,26.832 208.518,26.832 210.895,24.455 U26.5@213.164,24.455 ; v1(222.15,24.575) 222.208,24.517 R39.1@225.15,24.517
  Bottom Layer w0.254: v1(210.175,25.225) 210.825,24.575 v1(222.15,24.575)